# KiCad board reverse-panel.kicad_pcb
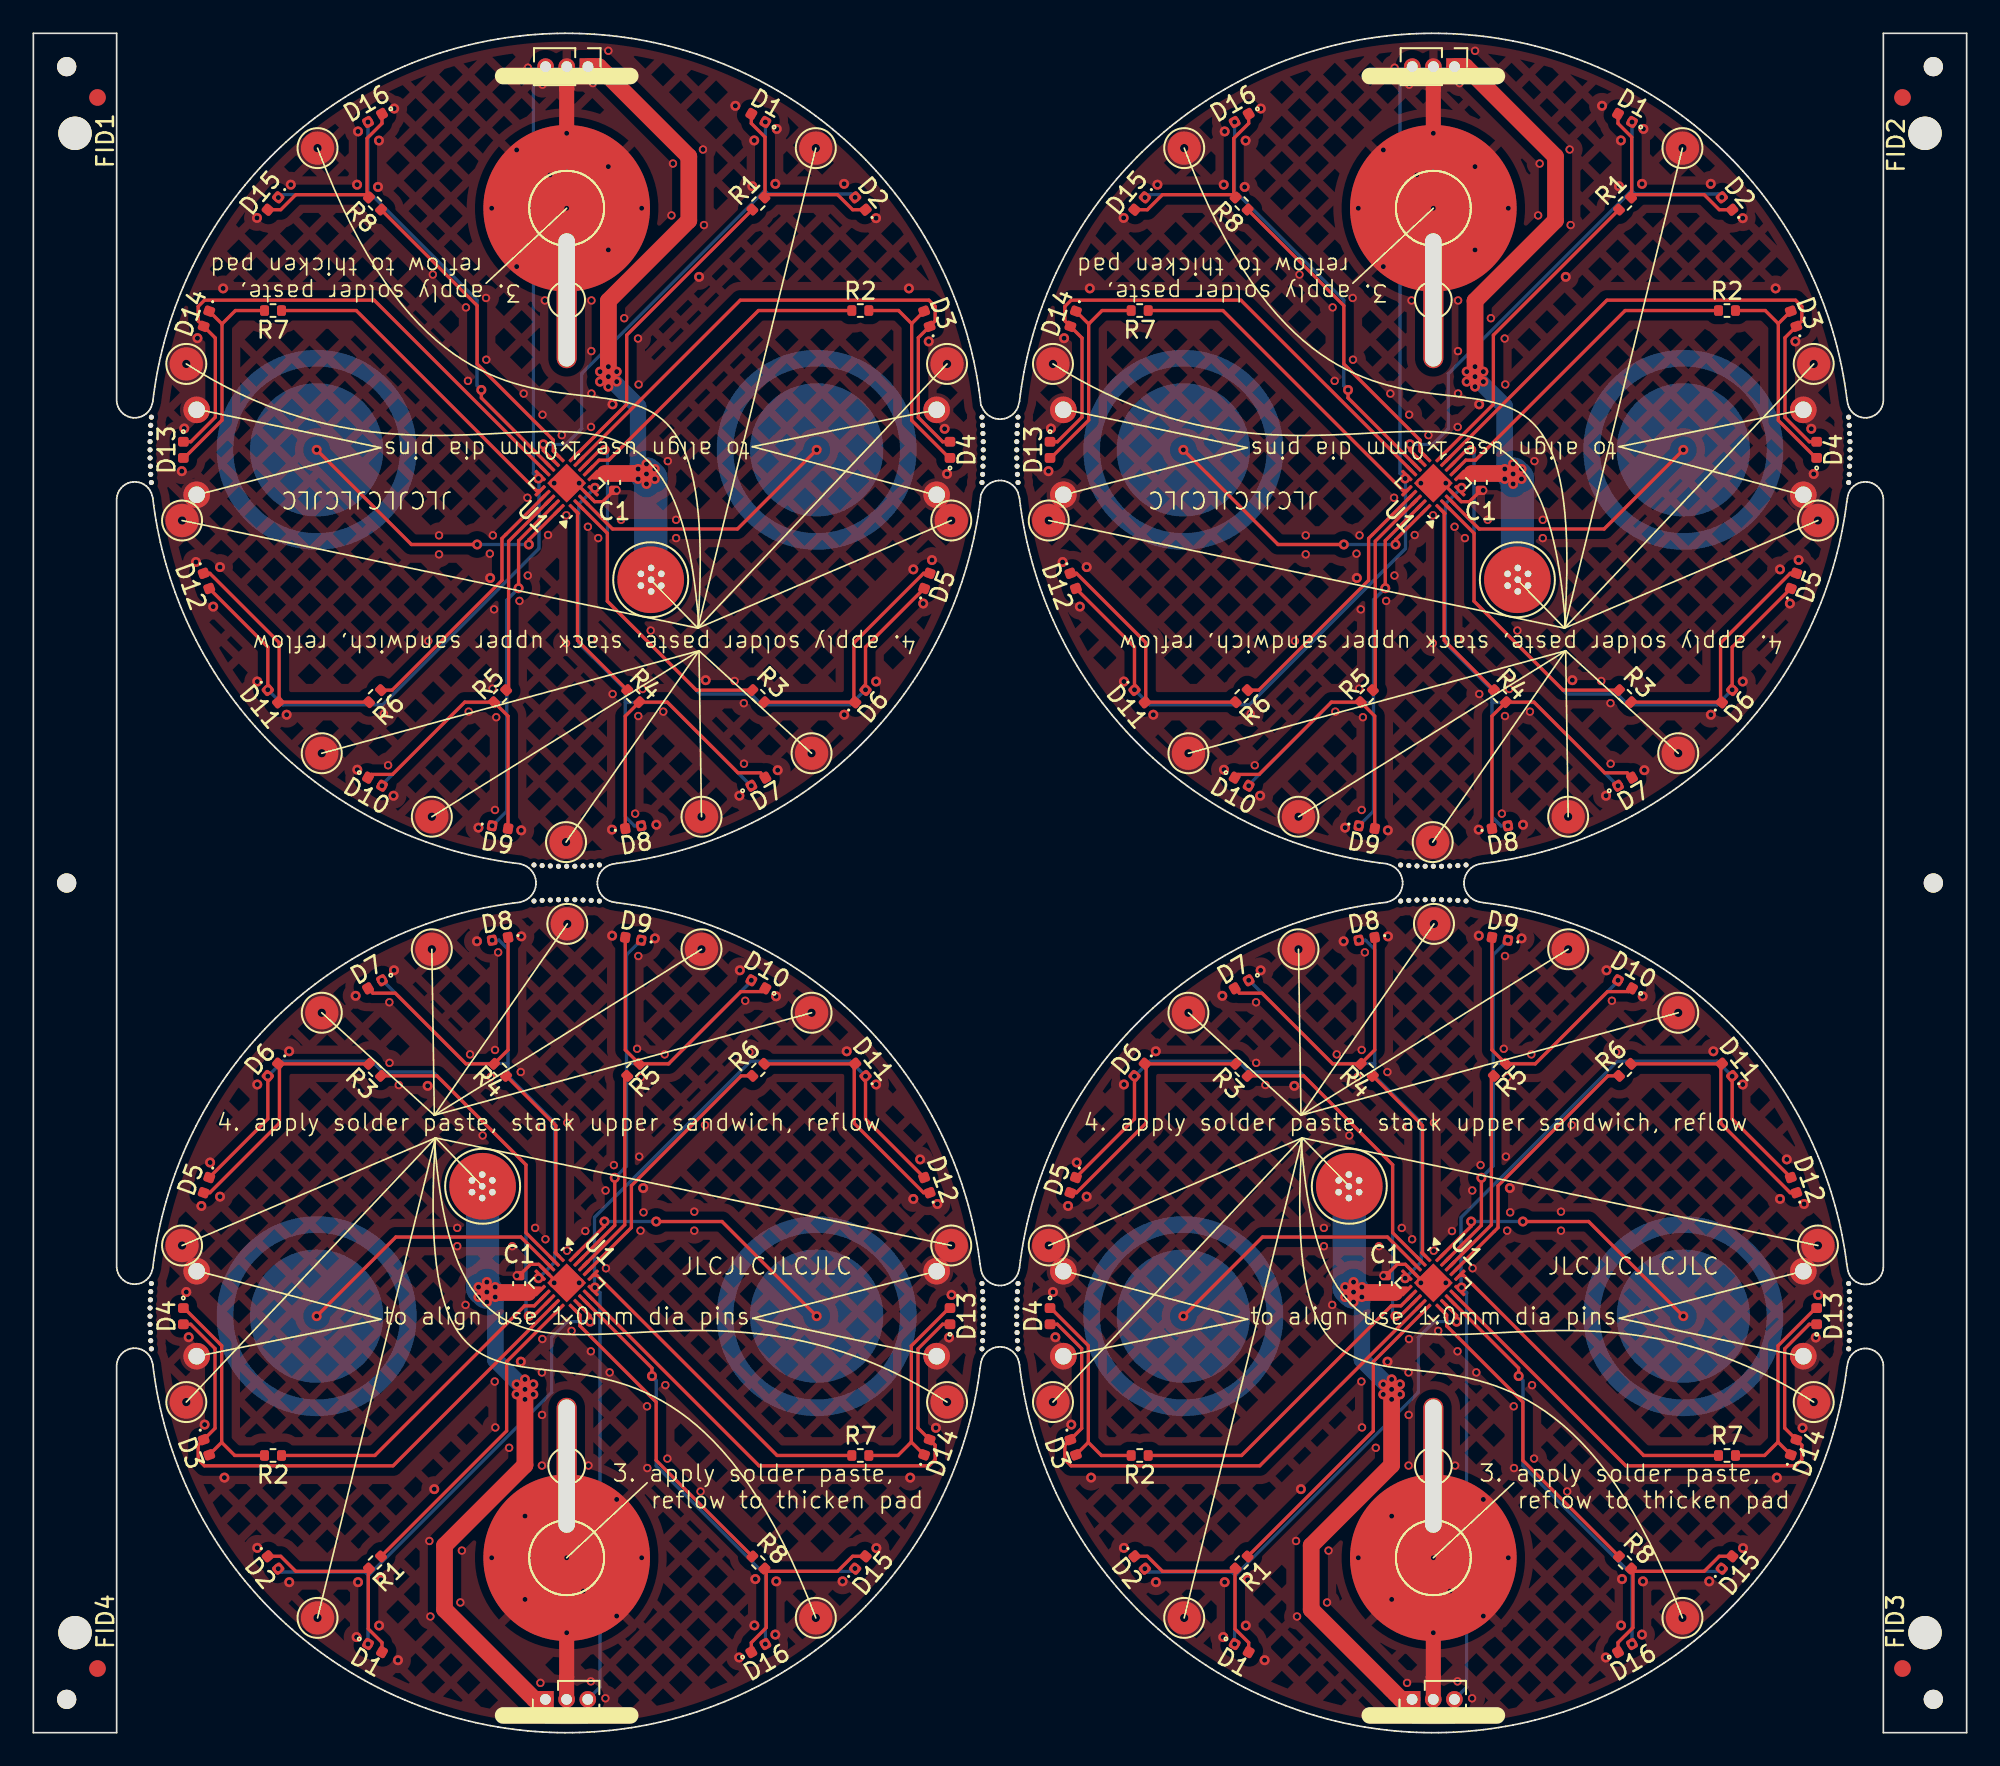
[diagram p0: board, top side]
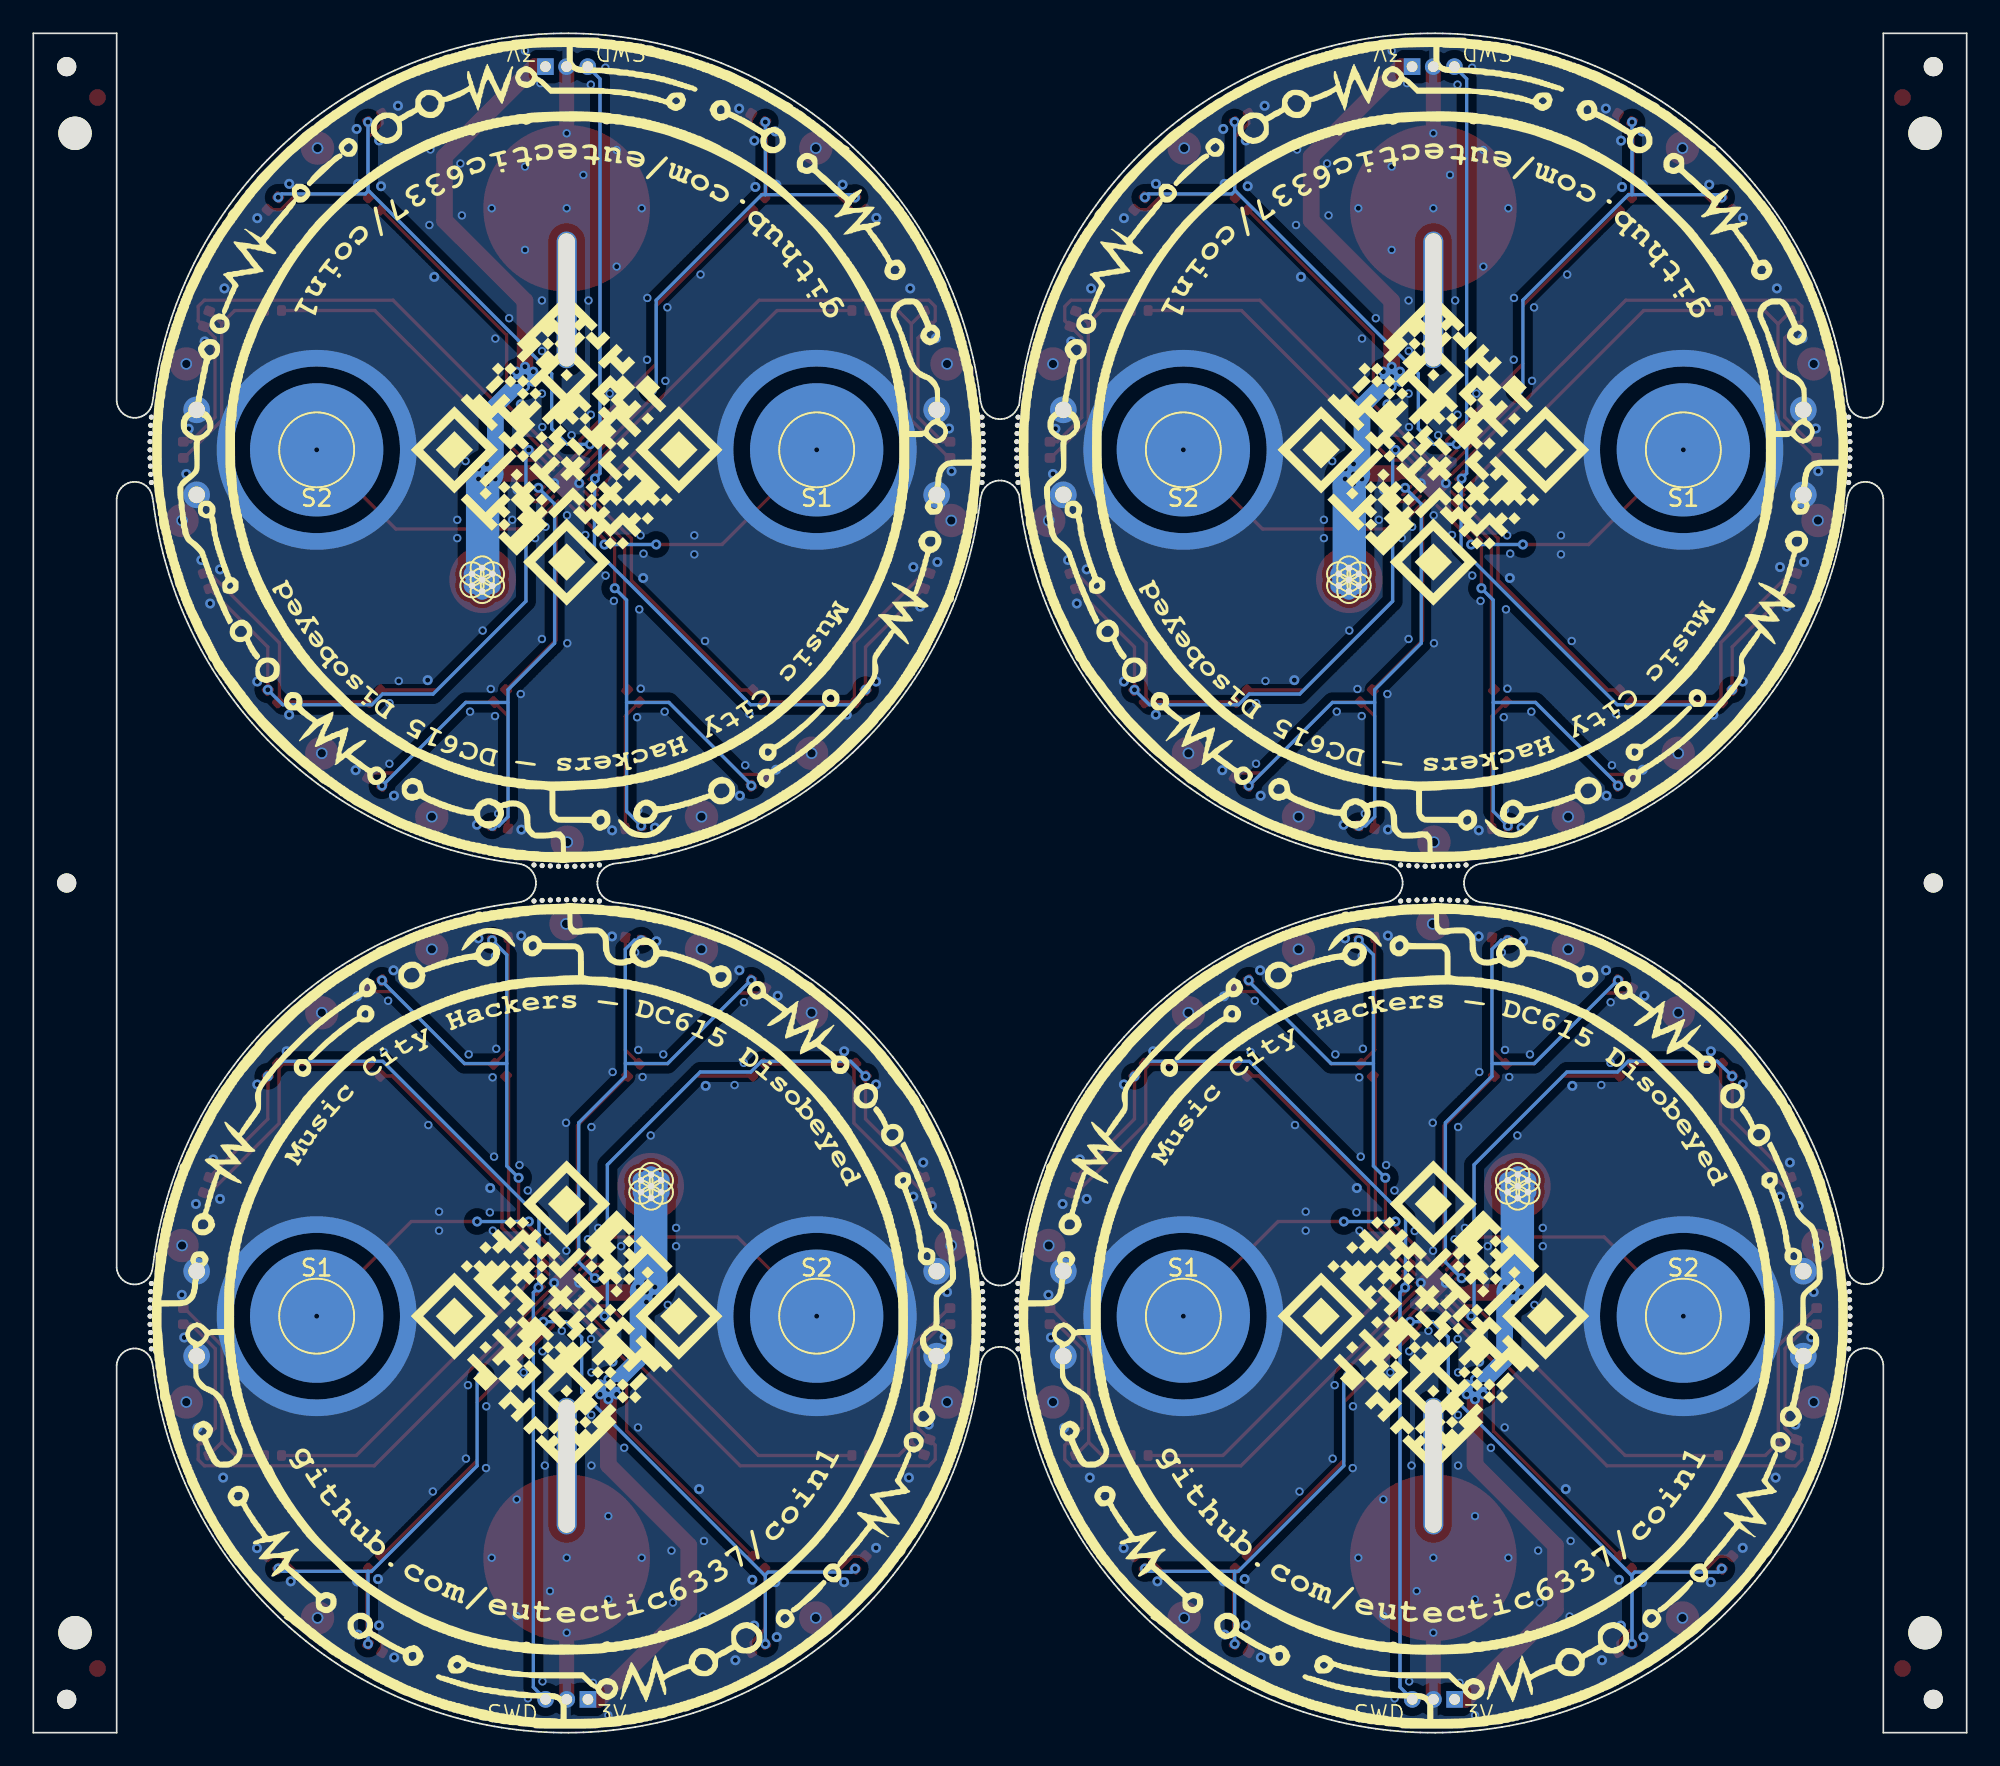
[diagram p1: board, bottom side, seen from below]

Outline 116 x 102 mm; copper layers: Top, Bottom. Coordinates in mm from the lower left corner of the outline.
Stack: Top 0.035mm / dielectric 1.51mm FR4 er 4.5 / Bottom 0.035mm

## Placement (name value [footprint] x y rotation side)
-  BAT-  [TestPoint_Pad_D4.0mm#2]  84 91.5 180 top  (not fitted)
-#2  BAT-  [TestPoint_Pad_D4.0mm#2]  32 10.5 0 top  (not fitted)
-#3  BAT-  [TestPoint_Pad_D4.0mm#2]  84 10.5 0 top  (not fitted)
-#4  BAT-  [TestPoint_Pad_D4.0mm#2]  32 91.5 180 top  (not fitted)
align-r1  -  [unnamed]  106.2 74.3 180 top  (not fitted)
align-r1#2  -  [unnamed]  9.8 27.7 0 top  (not fitted)
align-r1#3  -  [unnamed]  61.8 27.7 0 top  (not fitted)
align-r1#4  -  [unnamed]  54.2 74.3 180 top  (not fitted)
align-r2  -  [unnamed]  61.8 74.3 180 top  (not fitted)
align-r2#2  -  [unnamed]  106.2 27.7 0 top  (not fitted)
align-r2#3  -  [unnamed]  9.8 74.3 180 top  (not fitted)
align-r2#4  -  [unnamed]  54.2 27.7 0 top  (not fitted)
align-r3  -  [unnamed]  61.8 22.6 0 top  (not fitted)
align-r3#2  -  [unnamed]  9.8 22.6 0 top  (not fitted)
align-r3#3  -  [unnamed]  54.2 79.4 180 top  (not fitted)
align-r3#4  -  [unnamed]  106.2 79.4 180 top  (not fitted)
align-r4  -  [unnamed]  54.2 22.6 0 top  (not fitted)
align-r4#2  -  [unnamed]  9.8 79.4 180 top  (not fitted)
align-r4#3  -  [unnamed]  106.2 22.6 0 top  (not fitted)
align-r4#4  -  [unnamed]  61.8 79.4 180 top  (not fitted)
B1  BAT-  [TestPoint_Pad_D4.0mm]  32 10.5 0 top  (not fitted)
B1#2  BAT-  [TestPoint_Pad_D4.0mm]  84 10.5 0 top  (not fitted)
B1#3  BAT-  [TestPoint_Pad_D4.0mm]  32 91.5 180 top  (not fitted)
B1#4  BAT-  [TestPoint_Pad_D4.0mm]  84 91.5 180 top  (not fitted)
battery-eject1  -  [TestPoint_THTPad_3.0x3.0mm_Drill1.5mm]  84 86 180 top
battery-eject1#2  -  [TestPoint_THTPad_3.0x3.0mm_Drill1.5mm]  32 16 0 top
battery-eject1#3  -  [TestPoint_THTPad_3.0x3.0mm_Drill1.5mm]  32 86 180 top
battery-eject1#4  -  [TestPoint_THTPad_3.0x3.0mm_Drill1.5mm]  84 16 0 top
C1  1uF  [C_0402_1005Metric]  81.15 26.95 90 top
C1#2  1uF  [C_0402_1005Metric]  29.15 26.95 90 top
C1#3  1uF  [C_0402_1005Metric]  86.85 75.05 270 top
C1#4  1uF  [C_0402_1005Metric]  34.85 75.05 270 top
contact-r1  -  [TestPoint_Pad_D4.0mm]  89.04 69.2 0 top  (not fitted)
contact-r1#2  -  [TestPoint_Pad_D4.0mm]  26.96 32.8 180 top  (not fitted)
contact-r1#3  -  [TestPoint_Pad_D4.0mm]  37.04 69.2 0 top  (not fitted)
contact-r1#4  -  [TestPoint_Pad_D4.0mm]  78.96 32.8 180 top  (not fitted)
D1  LED  [LED_0402_1005Metric]  20.5 5.08 330 top
D1#2  LED  [LED_0402_1005Metric]  43.5 96.92 150 top
D1#3  LED  [LED_0402_1005Metric]  72.5 5.08 330 top
D1#4  LED  [LED_0402_1005Metric]  95.5 96.92 150 top
D2  LED  [LED_0402_1005Metric]  49.62 91.78 130 top
D2#2  LED  [LED_0402_1005Metric]  101.62 91.78 130 top
D2#3  LED  [LED_0402_1005Metric]  14.38 10.22 310 top
D2#4  LED  [LED_0402_1005Metric]  66.38 10.22 310 top
D3  LED  [LED_0402_1005Metric]  62.39 17.13 290 top
D3#2  LED  [LED_0402_1005Metric]  105.61 84.87 110 top
D3#3  LED  [LED_0402_1005Metric]  10.39 17.13 290 top
D3#4  LED  [LED_0402_1005Metric]  53.61 84.87 110 top
D4  LED  [LED_0402_1005Metric]  55 77 90 top
D4#2  LED  [LED_0402_1005Metric]  107 77 90 top
D4#3  LED  [LED_0402_1005Metric]  61 25 270 top
D4#4  LED  [LED_0402_1005Metric]  9 25 270 top
D5  LED  [LED_0402_1005Metric]  62.39 32.87 250 top
D5#2  LED  [LED_0402_1005Metric]  53.61 69.13 70 top
D5#3  LED  [LED_0402_1005Metric]  10.39 32.87 250 top
D5#4  LED  [LED_0402_1005Metric]  105.61 69.13 70 top
D6  LED  [LED_0402_1005Metric]  14.38 39.78 230 top
D6#2  LED  [LED_0402_1005Metric]  49.62 62.22 50 top
D6#3  LED  [LED_0402_1005Metric]  101.62 62.22 50 top
D6#4  LED  [LED_0402_1005Metric]  66.38 39.78 230 top
D7  LED  [LED_0402_1005Metric]  72.5 44.92 210 top
D7#2  LED  [LED_0402_1005Metric]  43.5 57.08 30 top
D7#3  LED  [LED_0402_1005Metric]  20.5 44.92 210 top
D7#4  LED  [LED_0402_1005Metric]  95.5 57.08 30 top
D8  LED  [LED_0402_1005Metric]  35.99 54.35 10 top
D8#2  LED  [LED_0402_1005Metric]  28.01 47.65 190 top
D8#3  LED  [LED_0402_1005Metric]  87.99 54.35 10 top
D8#4  LED  [LED_0402_1005Metric]  80.01 47.65 190 top
D9  LED  [LED_0402_1005Metric]  35.99 47.65 170 top
D9#2  LED  [LED_0402_1005Metric]  28.01 54.35 350 top
D9#3  LED  [LED_0402_1005Metric]  87.99 47.65 170 top
D9#4  LED  [LED_0402_1005Metric]  80.01 54.35 350 top
D10  LED  [LED_0402_1005Metric]  20.5 57.08 330 top
D10#2  LED  [LED_0402_1005Metric]  95.5 44.92 150 top
D10#3  LED  [LED_0402_1005Metric]  43.5 44.92 150 top
D10#4  LED  [LED_0402_1005Metric]  72.5 57.08 330 top
D11  LED  [LED_0402_1005Metric]  101.62 39.78 130 top
D11#2  LED  [LED_0402_1005Metric]  66.38 62.22 310 top
D11#3  LED  [LED_0402_1005Metric]  49.62 39.78 130 top
D11#4  LED  [LED_0402_1005Metric]  14.38 62.22 310 top
D12  LED  [LED_0402_1005Metric]  62.39 69.13 290 top
D12#2  LED  [LED_0402_1005Metric]  105.61 32.87 110 top
D12#3  LED  [LED_0402_1005Metric]  10.39 69.13 290 top
D12#4  LED  [LED_0402_1005Metric]  53.61 32.87 110 top
D13  LED  [LED_0402_1005Metric]  9 77 270 top
D13#2  LED  [LED_0402_1005Metric]  55 25 90 top
D13#3  LED  [LED_0402_1005Metric]  107 25 90 top
D13#4  LED  [LED_0402_1005Metric]  61 77 270 top
D14  LED  [LED_0402_1005Metric]  62.39 84.87 250 top
D14#2  LED  [LED_0402_1005Metric]  53.61 17.13 70 top
D14#3  LED  [LED_0402_1005Metric]  10.39 84.87 250 top
D14#4  LED  [LED_0402_1005Metric]  105.61 17.13 70 top
D15  LED  [LED_0402_1005Metric]  66.38 91.78 230 top
D15#2  LED  [LED_0402_1005Metric]  101.62 10.22 50 top
D15#3  LED  [LED_0402_1005Metric]  14.38 91.78 230 top
D15#4  LED  [LED_0402_1005Metric]  49.62 10.22 50 top
D16  LED  [LED_0402_1005Metric]  95.5 5.08 30 top
D16#2  LED  [LED_0402_1005Metric]  43.5 5.08 30 top
D16#3  LED  [LED_0402_1005Metric]  20.5 96.92 210 top
D16#4  LED  [LED_0402_1005Metric]  72.5 96.92 210 top
FID1  -  [Fiducial_1mm_Mask2mm]  3.85 98.15 0 top  (not fitted)
FID2  -  [Fiducial_1mm_Mask2mm]  112.15 98.15 0 top  (not fitted)
FID3  -  [Fiducial_1mm_Mask2mm]  112.15 3.85 0 top  (not fitted)
FID4  -  [Fiducial_1mm_Mask2mm]  3.85 3.85 0 top  (not fitted)
J1  Conn_01x03  [PinHeader_1x03_P1.27mm_Vertical]  33.27 100 270 top  (not fitted)
J1#2  Conn_01x03  [PinHeader_1x03_P1.27mm_Vertical]  85.28 100 270 top  (not fitted)
J1#3  Conn_01x03  [PinHeader_1x03_P1.27mm_Vertical]  82.72 2 90 top  (not fitted)
J1#4  Conn_01x03  [PinHeader_1x03_P1.27mm_Vertical]  30.73 2 90 top  (not fitted)
NOREF  -  [unnamed#2]  59.04 75.53 0 top
NOREF#2  -  [unnamed#3]  113.5 96 0 top  (not fitted)
NOREF#3  -  [unnamed#2]  108.92 23.04 0 top
NOREF#4  -  [unnamed#2]  56.92 75.04 0 top
NOREF#5  -  [unnamed#2]  57 76.51 0 top
NOREF#6  -  [unnamed#2]  31.51 52.01 0 top
NOREF#7  -  [unnamed#2]  7.04 75.53 0 top
NOREF#8  -  [unnamed#4]  2 100 0 top  (not fitted)
NOREF#9  -  [unnamed#2]  109 24.51 0 top
NOREF#10  -  [unnamed#2]  82.53 49.96 0 top
NOREF#11  -  [unnamed#2]  59.04 23.53 0 top
NOREF#12  -  [unnamed#2]  56.92 78.96 0 top
NOREF#13  -  [unnamed#2]  59.02 24.02 0 top
NOREF#14  -  [unnamed#2]  84.49 50 0 top
NOREF#15  -  [unnamed#2]  57 77.49 0 top
NOREF#16  -  [unnamed#2]  59 25.49 0 top
NOREF#17  -  [unnamed#2]  108.98 24.02 0 top
NOREF#18  -  [unnamed#2]  85.47 49.96 0 top
NOREF#19  -  [unnamed#2]  7 77 0 top
NOREF#20  -  [unnamed#2]  59 77 0 top
NOREF#21  -  [unnamed#2]  32.49 50 0 top
NOREF#22  -  [unnamed#2]  33.47 49.96 0 top
NOREF#23  -  [unnamed#2]  56.96 26.47 0 top
NOREF#24  -  [unnamed#2]  56.92 23.04 0 top
NOREF#25  -  [unnamed#2]  33.47 52.04 0 top
NOREF#26  -  [unnamed#2]  7 25.49 0 top
NOREF#27  -  [unnamed#2]  31.51 50 0 top
NOREF#28  -  [unnamed#2]  56.98 76.02 0 top
NOREF#29  -  [unnamed#2]  109 25.49 0 top
NOREF#30  -  [unnamed#2]  56.98 25.98 0 top
NOREF#31  -  [unnamed#2]  109 77.49 0 top
NOREF#32  -  [unnamed#2]  59.04 78.47 0 top
NOREF#33  -  [unnamed#2]  56.98 77.98 0 top
NOREF#34  -  [unnamed#4]  114 51 0 top  (not fitted)
NOREF#35  -  [unnamed#2]  32 52.01 0 top
NOREF#36  -  [unnamed#2]  59.02 76.02 0 top
NOREF#37  -  [unnamed#2]  33.96 49.92 0 top
NOREF#38  -  [unnamed#2]  56.96 23.53 0 top
NOREF#39  -  [unnamed#2]  108.98 25.98 0 top
NOREF#40  -  [unnamed#2]  59.08 23.04 0 top
NOREF#41  -  [unnamed#2]  7 24.51 0 top
NOREF#42  -  [unnamed#2]  7.08 75.04 0 top
NOREF#43  -  [unnamed#2]  7 76.51 0 top
NOREF#44  -  [unnamed#2]  30.53 49.96 0 top
NOREF#45  -  [unnamed#2]  108.92 75.04 0 top
NOREF#46  -  [unnamed#2]  57 77 0 top
NOREF#47  -  [unnamed#2]  30.04 52.08 0 top
NOREF#48  -  [unnamed#2]  32 50 0 top
NOREF#49  -  [unnamed#2]  108.98 76.02 0 top
NOREF#50  -  [unnamed#2]  59.08 78.96 0 top
NOREF#51  -  [unnamed#2]  59.02 77.98 0 top
NOREF#52  -  [unnamed#2]  83.02 49.98 0 top
NOREF#53  -  [unnamed#2]  59 25 0 top
NOREF#54  -  [unnamed#2]  33.96 52.08 0 top
NOREF#55  -  [unnamed#2]  56.98 24.02 0 top
NOREF#56  -  [unnamed#2]  7.08 23.04 0 top
NOREF#57  -  [unnamed#4]  114 2 0 top  (not fitted)
NOREF#58  -  [unnamed#2]  59.02 25.98 0 top
NOREF#59  -  [unnamed#2]  7.04 78.47 0 top
NOREF#60  -  [unnamed#2]  7.04 23.53 0 top
NOREF#61  -  [unnamed#2]  7.02 24.02 0 top
NOREF#62  -  [unnamed#2]  59.08 26.96 0 top
NOREF#63  -  [unnamed#2]  7 25 0 top
NOREF#64  -  [unnamed#2]  32.98 49.98 0 top
NOREF#65  -  [unnamed#2]  32.98 52.02 0 top
NOREF#66  -  [unnamed#2]  7.04 26.47 0 top
NOREF#67  -  [unnamed#2]  57 24.51 0 top
NOREF#68  -  [unnamed#2]  7.02 25.98 0 top
NOREF#69  -  [unnamed#2]  82.04 49.92 0 top
NOREF#70  -  [unnamed#2]  108.92 78.96 0 top
NOREF#71  -  [unnamed#2]  32.49 52.01 0 top
NOREF#72  -  [unnamed#2]  84.98 49.98 0 top
NOREF#73  -  [unnamed#2]  84.98 52.02 0 top
NOREF#74  -  [unnamed#2]  59 24.51 0 top
NOREF#75  -  [unnamed#2]  109 77 0 top
NOREF#76  -  [unnamed#2]  59 77.49 0 top
NOREF#77  -  [unnamed#2]  82.53 52.04 0 top
NOREF#78  -  [unnamed#2]  108.96 75.53 0 top
NOREF#79  -  [unnamed#2]  7.08 78.96 0 top
NOREF#80  -  [unnamed#4]  114 100 0 top  (not fitted)
NOREF#81  -  [unnamed#4]  2 51 0 top  (not fitted)
NOREF#82  -  [unnamed#2]  30.04 49.92 0 top
NOREF#83  -  [unnamed#3]  113.5 6 0 top  (not fitted)
NOREF#84  -  [unnamed#2]  108.96 78.47 0 top
NOREF#85  -  [unnamed#2]  56.96 75.53 0 top
NOREF#86  -  [unnamed#4]  2 2 0 top  (not fitted)
NOREF#87  -  [unnamed#2]  85.96 49.92 0 top
NOREF#88  -  [unnamed#2]  108.96 23.53 0 top
NOREF#89  -  [unnamed#2]  57 25 0 top
NOREF#90  -  [unnamed#2]  84.49 52.01 0 top
NOREF#91  -  [unnamed#2]  56.92 26.96 0 top
NOREF#92  -  [unnamed#2]  7 77.49 0 top
NOREF#93  -  [unnamed#2]  83.02 52.02 0 top
NOREF#94  -  [unnamed#2]  82.04 52.08 0 top
NOREF#95  -  [unnamed#2]  84 50 0 top
NOREF#96  -  [unnamed#2]  30.53 52.04 0 top
NOREF#97  -  [unnamed#2]  85.47 52.04 0 top
NOREF#98  -  [unnamed#2]  83.51 52.01 0 top
NOREF#99  -  [unnamed#2]  84 52.01 0 top
NOREF#100  -  [unnamed#2]  59.04 26.47 0 top
NOREF#101  -  [unnamed#2]  83.51 50 0 top
NOREF#102  -  [unnamed#2]  109 25 0 top
NOREF#103  -  [unnamed#3]  2.5 96 0 top  (not fitted)
NOREF#104  -  [unnamed#2]  31.02 52.02 0 top
NOREF#105  -  [unnamed#2]  57 25.49 0 top
NOREF#106  -  [unnamed#2]  85.96 52.08 0 top
NOREF#107  -  [unnamed#2]  56.96 78.47 0 top
NOREF#108  -  [unnamed#2]  109 76.51 0 top
NOREF#109  -  [unnamed#2]  108.92 26.96 0 top
NOREF#110  -  [unnamed#2]  7.02 77.98 0 top
NOREF#111  -  [unnamed#2]  59 76.51 0 top
NOREF#112  -  [unnamed#3]  2.5 6 0 top  (not fitted)
NOREF#113  -  [unnamed#2]  7.08 26.96 0 top
NOREF#114  -  [unnamed#2]  108.96 26.47 0 top
NOREF#115  -  [unnamed#2]  7.02 76.02 0 top
NOREF#116  -  [unnamed#2]  31.02 49.98 0 top
NOREF#117  -  [unnamed#2]  108.98 77.98 0 top
NOREF#118  -  [unnamed#2]  59.08 75.04 0 top
R1  22R  [R_0402_1005Metric]  95.5 91.78 45 top
R1#2  22R  [R_0402_1005Metric]  72.5 10.22 225 top
R1#3  22R  [R_0402_1005Metric]  43.5 91.78 45 top
R1#4  22R  [R_0402_1005Metric]  20.5 10.22 225 top
R2  22R  [R_0402_1005Metric]  49.62 85.36 0 top
R2#2  22R  [R_0402_1005Metric]  101.62 85.36 0 top
R2#3  22R  [R_0402_1005Metric]  66.38 16.64 180 top
R2#4  22R  [R_0402_1005Metric]  14.38 16.64 180 top
R3  22R  [R_0402_1005Metric]  20.5 39.78 135 top
R3#2  22R  [R_0402_1005Metric]  72.5 39.78 135 top
R3#3  22R  [R_0402_1005Metric]  95.5 62.22 315 top
R3#4  22R  [R_0402_1005Metric]  43.5 62.22 315 top
R4  22R  [R_0402_1005Metric]  80.01 39.78 135 top
R4#2  22R  [R_0402_1005Metric]  35.99 62.22 315 top
R4#3  22R  [R_0402_1005Metric]  28.01 39.78 135 top
R4#4  22R  [R_0402_1005Metric]  87.99 62.22 315 top
R5  22R  [R_0402_1005Metric]  87.99 39.78 45 top
R5#2  22R  [R_0402_1005Metric]  80.01 62.22 225 top
R5#3  22R  [R_0402_1005Metric]  28.01 62.22 225 top
R5#4  22R  [R_0402_1005Metric]  35.99 39.78 45 top
R6  22R  [R_0402_1005Metric]  20.5 62.22 225 top
R6#2  22R  [R_0402_1005Metric]  43.5 39.78 45 top
R6#3  22R  [R_0402_1005Metric]  72.5 62.22 225 top
R6#4  22R  [R_0402_1005Metric]  95.5 39.78 45 top
R7  22R  [R_0402_1005Metric]  66.38 85.36 180 top
R7#2  22R  [R_0402_1005Metric]  14.38 85.36 180 top
R7#3  22R  [R_0402_1005Metric]  49.62 16.64 0 top
R7#4  22R  [R_0402_1005Metric]  101.62 16.64 0 top
R8  22R  [R_0402_1005Metric]  20.5 91.78 135 top
R8#2  22R  [R_0402_1005Metric]  95.5 10.22 315 top
R8#3  22R  [R_0402_1005Metric]  43.5 10.22 315 top
R8#4  22R  [R_0402_1005Metric]  72.5 91.78 135 top
S1  touch  [TestPoint_Pad_D4.0mm#3]  17 77 0 bottom  (not fitted)
S1#2  touch  [TestPoint_Pad_D4.0mm#3]  99 25 180 bottom  (not fitted)
S1#3  touch  [TestPoint_Pad_D4.0mm#3]  47 25 180 bottom  (not fitted)
S1#4  touch  [TestPoint_Pad_D4.0mm#3]  69 77 0 bottom  (not fitted)
S2  touch  [TestPoint_Pad_D4.0mm#3]  99 77 0 bottom  (not fitted)
S2#2  touch  [TestPoint_Pad_D4.0mm#3]  17 25 180 bottom  (not fitted)
S2#3  touch  [TestPoint_Pad_D4.0mm#3]  47 77 0 bottom  (not fitted)
S2#4  touch  [TestPoint_Pad_D4.0mm#3]  69 25 180 bottom  (not fitted)
solder1  -  [TestPoint_Pad_D1.0mm]  37.07 69.2 0 bottom
solder1#2  -  [TestPoint_Pad_D1.0mm]  78.93 32.8 180 bottom
solder1#3  -  [TestPoint_Pad_D1.0mm]  26.93 32.8 180 bottom
solder1#4  -  [TestPoint_Pad_D1.0mm]  89.07 69.2 0 bottom
solder2  -  [TestPoint_Pad_D1.0mm]  89.07 68.5 0 bottom
solder2#2  -  [TestPoint_Pad_D1.0mm]  78.93 33.5 180 bottom
solder2#3  -  [TestPoint_Pad_D1.0mm]  26.93 33.5 180 bottom
solder2#4  -  [TestPoint_Pad_D1.0mm]  37.07 68.5 0 bottom
solder3  -  [TestPoint_Pad_D1.0mm]  36.46 68.85 0 bottom
solder3#2  -  [TestPoint_Pad_D1.0mm]  27.54 33.15 180 bottom
solder3#3  -  [TestPoint_Pad_D1.0mm]  79.54 33.15 180 bottom
solder3#4  -  [TestPoint_Pad_D1.0mm]  88.46 68.85 0 bottom
solder4  -  [TestPoint_Pad_D1.0mm]  36.46 69.56 0 bottom
solder4#2  -  [TestPoint_Pad_D1.0mm]  79.54 32.44 180 bottom
solder4#3  -  [TestPoint_Pad_D1.0mm]  88.46 69.56 0 bottom
solder4#4  -  [TestPoint_Pad_D1.0mm]  27.54 32.44 180 bottom
solder5  -  [TestPoint_Pad_D1.0mm]  78.93 32.09 180 bottom
solder5#2  -  [TestPoint_Pad_D1.0mm]  37.07 69.91 0 bottom
solder5#3  -  [TestPoint_Pad_D1.0mm]  89.07 69.91 0 bottom
solder5#4  -  [TestPoint_Pad_D1.0mm]  26.93 32.09 180 bottom
solder6  -  [TestPoint_Pad_D1.0mm]  89.68 69.56 0 bottom
solder6#2  -  [TestPoint_Pad_D1.0mm]  26.32 32.44 180 bottom
solder6#3  -  [TestPoint_Pad_D1.0mm]  37.68 69.56 0 bottom
solder6#4  -  [TestPoint_Pad_D1.0mm]  78.32 32.44 180 bottom
solder7  -  [TestPoint_Pad_D1.0mm]  78.32 33.15 180 bottom
solder7#2  -  [TestPoint_Pad_D1.0mm]  26.32 33.15 180 bottom
solder7#3  -  [TestPoint_Pad_D1.0mm]  37.68 68.85 0 bottom
solder7#4  -  [TestPoint_Pad_D1.0mm]  89.68 68.85 0 bottom
stitch1  -  [TestPoint_Pad_D2.0mm]  69.31 43.21 0 top  (not fitted)
stitch1#2  -  [TestPoint_Pad_D2.0mm]  23.91 54.98 180 top  (not fitted)
stitch1#3  -  [TestPoint_Pad_D2.0mm]  107.08 29.24 0 top  (not fitted)
stitch1#4  -  [TestPoint_Pad_D2.0mm]  17.05 95.11 180 top  (not fitted)
stitch1#5  -  [TestPoint_Pad_D2.0mm]  46.69 43.21 0 top  (not fitted)
stitch1#6  -  [TestPoint_Pad_D2.0mm]  107.08 72.76 180 top  (not fitted)
stitch1#7  -  [TestPoint_Pad_D2.0mm]  83.96 53.45 180 top  (not fitted)
stitch1#8  -  [TestPoint_Pad_D2.0mm]  69.05 95.11 180 top  (not fitted)
stitch1#9  -  [TestPoint_Pad_D2.0mm]  75.91 54.98 180 top  (not fitted)
stitch1#10  -  [TestPoint_Pad_D2.0mm]  46.95 6.89 0 top  (not fitted)
stitch1#11  -  [TestPoint_Pad_D2.0mm]  40.09 54.98 180 top  (not fitted)
stitch1#12  -  [TestPoint_Pad_D2.0mm]  54.82 19.84 0 top  (not fitted)
stitch1#13  -  [TestPoint_Pad_D2.0mm]  55.08 72.76 180 top  (not fitted)
stitch1#14  -  [TestPoint_Pad_D2.0mm]  8.92 72.76 180 top  (not fitted)
stitch1#15  -  [TestPoint_Pad_D2.0mm]  31.96 53.45 180 top  (not fitted)
stitch1#16  -  [TestPoint_Pad_D2.0mm]  17.31 58.79 180 top  (not fitted)
stitch1#17  -  [TestPoint_Pad_D2.0mm]  69.31 58.79 180 top  (not fitted)
stitch1#18  -  [TestPoint_Pad_D2.0mm]  61.18 82.16 180 top  (not fitted)
stitch1#19  -  [TestPoint_Pad_D2.0mm]  69.05 6.89 0 top  (not fitted)
stitch1#20  -  [TestPoint_Pad_D2.0mm]  17.05 6.89 0 top  (not fitted)
stitch1#21  -  [TestPoint_Pad_D2.0mm]  32.04 48.55 0 top  (not fitted)
stitch1#22  -  [TestPoint_Pad_D2.0mm]  54.82 82.16 180 top  (not fitted)
stitch1#23  -  [TestPoint_Pad_D2.0mm]  98.95 6.89 0 top  (not fitted)
stitch1#24  -  [TestPoint_Pad_D2.0mm]  40.09 47.02 0 top  (not fitted)
stitch1#25  -  [TestPoint_Pad_D2.0mm]  9.18 19.84 0 top  (not fitted)
stitch1#26  -  [TestPoint_Pad_D2.0mm]  92.09 47.02 0 top  (not fitted)
stitch1#27  -  [TestPoint_Pad_D2.0mm]  98.69 58.79 180 top  (not fitted)
stitch1#28  -  [TestPoint_Pad_D2.0mm]  46.95 95.11 180 top  (not fitted)
stitch1#29  -  [TestPoint_Pad_D2.0mm]  92.09 54.98 180 top  (not fitted)
stitch1#30  -  [TestPoint_Pad_D2.0mm]  9.18 82.16 180 top  (not fitted)
stitch1#31  -  [TestPoint_Pad_D2.0mm]  106.82 19.84 0 top  (not fitted)
stitch1#32  -  [TestPoint_Pad_D2.0mm]  98.69 43.21 0 top  (not fitted)
stitch1#33  -  [TestPoint_Pad_D2.0mm]  98.95 95.11 180 top  (not fitted)
stitch1#34  -  [TestPoint_Pad_D2.0mm]  23.91 47.02 0 top  (not fitted)
stitch1#35  -  [TestPoint_Pad_D2.0mm]  46.69 58.79 180 top  (not fitted)
stitch1#36  -  [TestPoint_Pad_D2.0mm]  55.08 29.24 0 top  (not fitted)
stitch1#37  -  [TestPoint_Pad_D2.0mm]  60.92 72.76 180 top  (not fitted)
stitch1#38  -  [TestPoint_Pad_D2.0mm]  106.82 82.16 180 top  (not fitted)
stitch1#39  -  [TestPoint_Pad_D2.0mm]  84.04 48.55 0 top  (not fitted)